# KiCad board ardumower mega shield svn.kicad_pcb (continued)
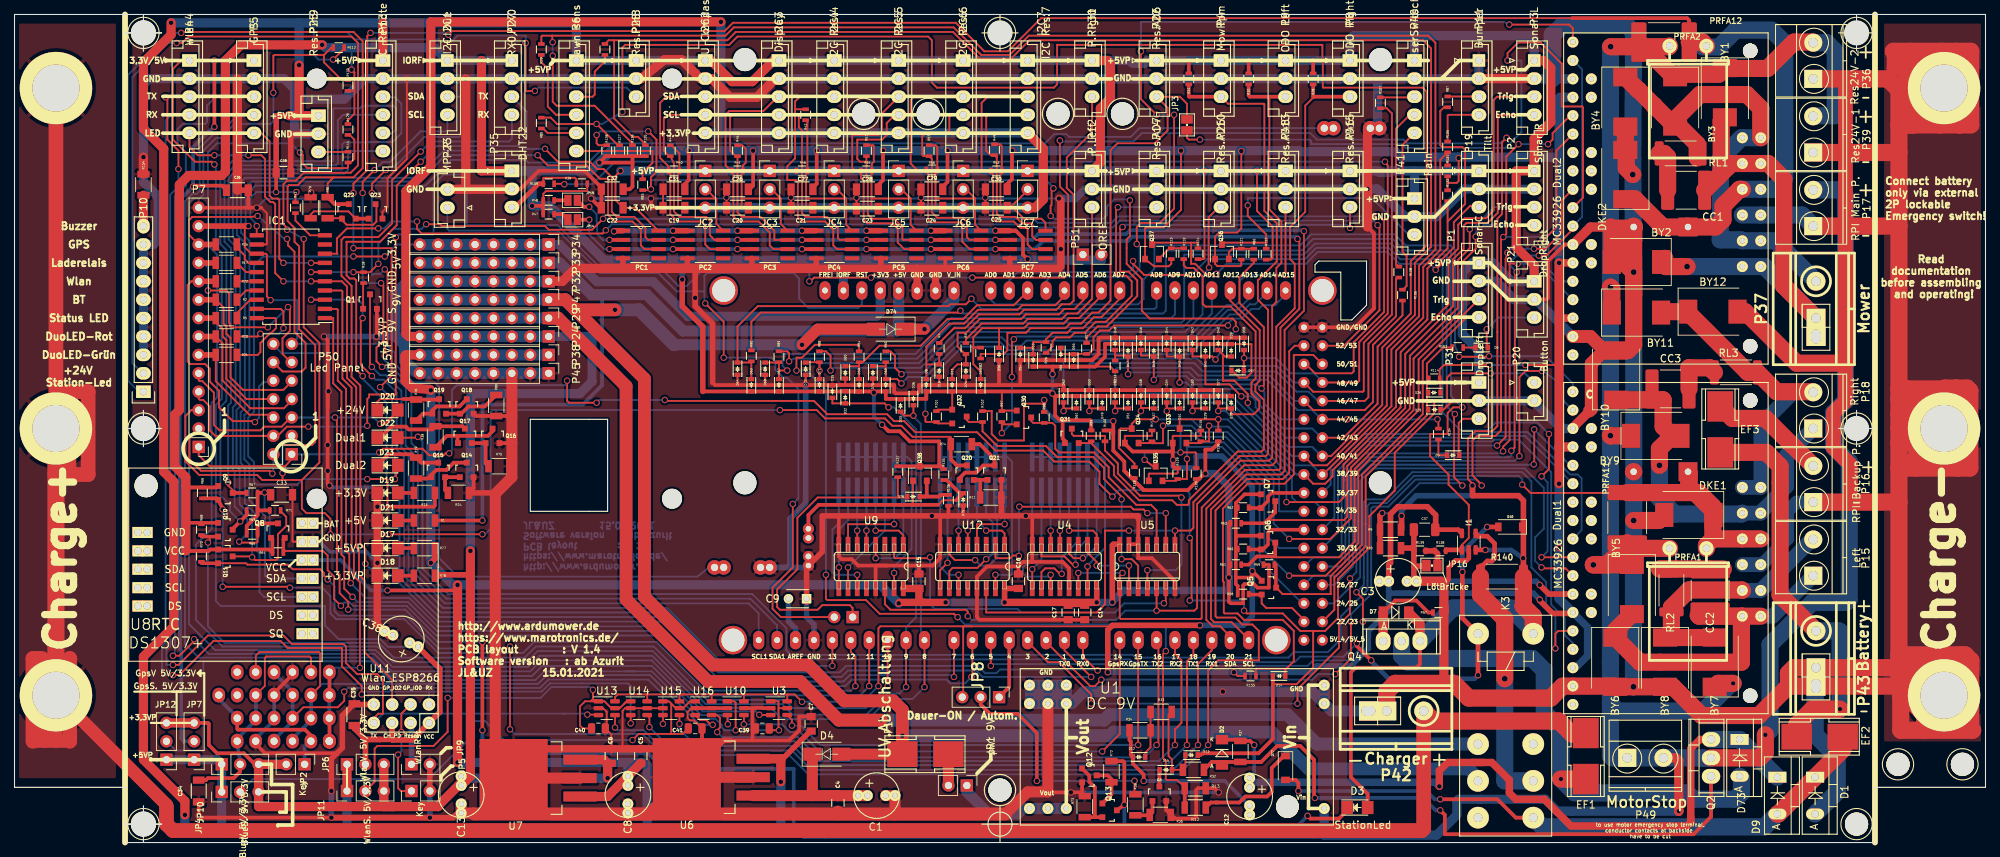
[diagram p0: board, top side]
## Routing (per net, layer and track width the routed paths; a pad name or vN(x,y) marks a point on that pad's centre or on a via; arc(x,y) is an arc through that point) (continued)
Led-BT: length 69.7
  Top w0.254: v1(47.62,24.13) 47.62,35.94 46.8,36.77 46.8,40.07 46.48,40.39 46.48,62.78 45.21,64.05 45.21,76.07 45.08,76.2 IC1.4
  Top w0.508: 43.43,23.62 43.43,20.45 ; 43.43,17.27 43.43,14.1
  Bottom w0.254: 43.69,19.81 43.43,19.81 ; U2.LED 44.02,24.13 v1(47.62,24.13)
  Bottom w0.508: U2.LED U2.LED
Led-Status: length 118.2
  Top w0.254: v1(48.01,72.39) 47.75,72.01 47.75,65.91 v1(49.28,64.39) ; v1(40.89,74.93) IC1.3 ; v1(112.78,24.38) SHIELD1.13 112.78,28.45
  Bottom w0.254: v1(49.28,64.39) 49.78,63.88 50.93,63.88 52.7,62.1 52.7,54.23 53.72,53.21 53.72,36.83 58.8,31.75 89.66,31.75 97.03,24.38 v1(112.78,24.38) ; v1(48.01,72.39) 48.01,74.3 47.37,74.93 v1(40.89,74.93)
Led-Wlan: length 100.5
  Top w0.254: v1(37.08,77.47) 35.94,78.61 35.94,88.14 35.69,88.39 35.31,88.39 34.54,89.15 34.54,94.36 34.04,94.87 v1(32.26,94.87) ; P44.5 24.13,96.01 25.27,94.87 v1(27.56,94.87) ; v1(40.89,77.47) IC1.5 45.13,77.47 45.85,76.75 45.85,64.13 47.12,62.86 47.12,40.77 47.5,40.39 47.5,36.96 48.26,36.2 48.26,26.29 52.07,22.48 U11.GP_2
  Bottom w0.254: v1(32.26,94.87) v1(27.56,94.87) ; v1(40.89,77.47) v1(37.08,77.47)
pinBatteryVoltage: length 121.6
  Top w0.254: v1(111.89,36.96) 111.89,33.66 112.08,33.46 117.41,33.46 119.3,31.57 129.53,31.57 129.98,31.11 v1(130.05,31.11) ; R84.1 116.46,68.45 116.2,68.71 110.36,68.71 108.58,66.93 107.82,66.93 v1(107.82,65.15) ; v1(158.75,26.42) 158.37,26.03 158.37,11.68 158.75,11.3 158.75,8.76 158.88,8.64 160.27,8.64 161.36,7.67 R13.1
  Top w0.508: R12.2 R13.1
  Bottom w0.254: v1(158.75,26.42) 158.75,29.84 158.5,30.1 131.06,30.1 v1(130.05,31.11) ; v1(107.82,65.15) 109.22,65.15 111.89,62.48 v1(111.89,36.96)
pinBumperLeft: length 7.9
  Top w0.254: P11.4 197.73,100.45 197.61,100.33 R105.1
pinBumperRight: length 4.3
  Top w0.254: P11.3 201.9,102.98 R87.1
pinButton: length 70.2
  Top w0.254: 175.39,24 175.22,23.84 D14.2 ; 175.39,24 176.4,25.02 176.4,29.21 174.88,30.73 169.55,30.73 168.66,31.62 166.88,31.62 166.75,31.75 166.75,35.94 166.62,36.07 166.62,46.1 170.05,49.53 175.13,49.53 176.4,50.8 176.4,67.31 179.07,67.31 SHIELD1.51 179.83,66.04 ; 175.39,24 171.2,24 171.18,23.99 R133.1
pinBuzzer: length 172.7
  Top w0.254: v1(187.96,85.22) 188.21,84.96 188.21,73.47 183.32,68.58 SHIELD1.53 ; v1(50.17,84.77) 45.85,84.77 44.45,83.38 44.45,81.34 44.51,81.28 IC1.8 ; v1(55.5,85.72) 55.5,84.71 56.14,84.06 81.09,84.06 v1(81.53,84.51)
  Bottom w0.254: v1(55.5,85.72) 51.94,85.72 50.99,84.77 v1(50.17,84.77) ; v1(81.53,84.51) 82.36,85.34 140.34,85.34 140.78,84.9 151.45,84.9 152.4,85.85 187.33,85.85 v1(187.96,85.22)
pinChargeCurrent: length 161.8
  Top w0.254: 101.6,68.03 101.6,71.88 102.87,73.15 130.18,73.15 v1(130.43,73.41) ; v1(199.64,60.07) 198.37,60.07 197.61,59.31 197.61,56.39 195.2,56.39 195.2,53.34 197.74,50.8 197.74,49.4 200.53,46.61 ; 200.53,46.61 200.53,42.04 199.58,41.09 I1.1 ; 200.53,46.61 200.53,46.36 ; 197.36,40.27 R138.1
  Top w0.635: I1.1 197.48,40.39 R138.1
  Bottom w0.254: v1(130.43,73.41) 130.81,73.03 158.37,73.03 158.75,73.41 158.75,81.53 158.94,81.72 177.48,81.72 179.07,83.31 190.06,83.31 191.64,81.72 197.87,81.72 198.06,81.53 198.06,61.66 v1(199.64,60.07)
pinChargeVoltage: length 156.6
  Top w0.254: R89.1 106.56,67.81 106.81,67.56 v1(106.81,66.42) ; v1(199.64,49.28) 198.5,50.42 198.5,59.03 v1(198.61,59.14)
  Top w0.762: v1(188.59,45.47) 188.29,45.16 R9.2 R10.1
  Bottom w0.254: v1(106.81,66.42) 107.44,66.8 124.46,66.8 129.41,71.75 160.91,71.75 161.29,72.14 161.29,81.15 177.8,81.15 179.32,82.68 189.8,82.68 191.33,81.15 197.36,81.15 197.49,81.03 197.49,60.26 v1(198.61,59.14) ; v1(188.59,45.47) 189.61,45.47 193.75,49.61 199.31,49.61 v1(199.64,49.28)
pinChargingEnable: length 185.8
  Top w0.254: 42.17,78.74 v1(40.89,78.74) ; v1(46.74,78.74) 46.75,78.73 R18.1 49.01,78.73 v1(50.17,79.88) ; 78.11,84.58 77.85,84.58 ; 77.85,84.58 79.63,84.58 v1(81.15,86.11) ; 77.85,84.58 73.66,84.58 73.15,85.09 58.93,85.09 58.67,85.34 v1(56.77,85.34) ; 177.93,66.04 SHIELD1.50 178.05,66.04 179.32,64.77 184.4,64.77 184.66,65.02 184.66,69.09 184.7,69.09 188.85,73.24 188.85,85.85 188.21,86.42 v1(187.96,86.42)
  Bottom w0.254: v1(46.74,78.74) v1(40.89,78.74) ; v1(56.77,85.34) 56.13,84.71 52.2,84.71 50.17,82.68 v1(50.17,79.88) ; v1(187.96,86.42) 152.15,86.42 151.26,85.53 141.1,85.53 140.53,86.11 v1(81.15,86.11)
pinLawnBackRecv: length 14.9
  Top w0.254: R83.1 86.61,92.46 87.96,93.8 87.96,95.45 P6.6
pinLawnBackSend: length 5.1
  Top w0.254: 77.49,97.93 P6.5 73.5,97.95 72.89,98.56 R85.1
pinLawnFrontRecv: length 11.9
  Top w0.254: P6.4 74.68,100.45 73.53,101.6 73.53,106.81 72.64,107.7 R29.1
pinLawnFrontSend: length 8.7
  Top w0.254: P6.3 79.71,102.95 80.01,103.25 80.01,106.43 81.41,107.82 R54.1
pinMotorEnable: length 52.1
  Bottom w0.254: Dual1.10 216.09,43.12 216.09,50.26 215.56,50.8 214.5,50.8 208.66,56.64 203.62,56.64 203.37,56.39 186.11,56.39 181.48,51.77 181.48,49.4 SHIELD1.37
pinMotorLeftDir: length 72.2
  Bottom w0.254: Dual1.4 214.88,27.52 213.74,28.66 213.74,30.99 ; 213.74,30.99 211.9,32.83 211.9,51.12 207.39,55.62 204.04,55.62 203.79,55.37 186.53,55.37 182.5,51.34 182.5,42.8 SHIELD1.31 180.34,40.89 ; 213.74,30.99 213.74,29.34
pinMotorLeftFault: length 64.8
  Top w0.254: v1(210.57,37.97) 210.69,37.85 213.87,37.85 Dual1.8
  Bottom w0.254: 180.34,33.66 SHIELD1.25 ; SHIELD1.25 181.94,33.02 185.55,36.62 185.55,49.91 187.27,51.64 208.2,51.64 210.88,48.96 210.88,43.34 209.68,42.13 209.68,38.86 v1(210.57,37.97) ; SHIELD1.25 180.34,33.4
pinMotorLeftPWM: length 132.7
  Top w0.254: v1(185.04,34.54) 185.93,33.65 v1(185.93,30.48) ; 214.5,29.21 Dual1.5 212.85,29.21 212.47,28.83 v1(212.47,26.8) ; v1(134.62,24.38) SHIELD1.5
  Bottom w0.254: 186.06,36.41 186.06,36.7 ; 186.06,36.7 186.06,36.53 186.05,36.53 186.05,35.56 v1(185.04,34.54) ; 186.06,36.7 186.06,46.99 186.44,47.37 188.99,47.37 192.75,51.13 206.93,51.13 ; v1(185.93,30.48) 185.93,27.11 183.96,25.15 179.07,25.15 178.31,24.38 153.67,24.38 153.42,24.64 134.87,24.64 v1(134.62,24.38) ; 209.17,37.97 211.2,35.94 211.2,32.51 212.47,31.24 v1(212.47,26.8) ; 209.17,37.97 209.23,37.91 ; 209.17,37.97 209.17,49.86 207.9,51.13 206.93,51.13 ; 206.93,51.13 207.57,51.13
pinMotorLeftSense: length 126.9
  Top w0.254: 137.03,76.07 SHIELD1.AD1 137.16,75.82 ; v1(211.58,56.39) 211.58,51.56 v1(210.57,50.55) ; Dual1.9 v1(210.57,39.37) ; v1(154.24,80.26) 154.24,79.88 155.77,78.36 v1(162.31,78.36)
  Bottom w0.254: SHIELD1.AD1 137.16,77.6 138.3,78.74 153.67,78.74 154.24,79.31 v1(154.24,80.26) ; v1(210.57,50.55) 211.39,49.72 211.39,40.2 v1(210.57,39.37) ; v1(211.58,56.39) 209.99,57.98 204.24,57.98 203.16,56.9 199.39,56.9 196.91,59.37 196.91,80.39 196.79,80.52 191.07,80.52 189.48,82.11 179.51,82.11 177.93,80.52 164.47,80.52 v1(162.31,78.36)
pinMotorMowDir: length 98.9
  Top w0.254: 215.39,97.79 Dual2.13 212.6,95.5 212.6,84.94 v1(210.44,82.78) ; v1(207.26,79.88) 207.22,79.93 206.16,79.93 206.16,55.54 205.26,54.64 v1(205.26,54.01)
  Bottom w0.254: v1(207.26,79.88) 209.93,79.88 211.26,78.55 ; 211.26,78.55 Dual2.4 ; 211.26,78.55 211.01,78.8 211.01,82.21 v1(210.44,82.78) ; SHIELD1.29 182.88,38.1 183.52,38.74 183.52,50.92 186.31,53.72 204.97,53.72 v1(205.26,54.01) ; SHIELD1.29 180.85,38.1 ; SHIELD1.29 181.1,38.1
pinMotorMowEnable: length 83.7
  Top w0.254: 214.38,90.17 Dual2.10 213.36,88.65 213.36,84.2 211.12,81.96 v1(209.52,81.96) ; v1(205.87,81.41) 205.61,80.52 205.61,67.69 205.61,67.69 205.61,55.98 v1(204.43,54.8)
  Bottom w0.254: v1(209.52,81.96) 206.33,81.96 205.99,81.62 v1(205.87,81.41) ; 177.42,38.1 SHIELD1.28 179.07,39.37 183.01,39.37 183.01,39.37 183.01,51.13 186.67,54.8 v1(204.43,54.8)
pinMotorMowFault: length 105.8
  Top w0.254: 214.95,107.95 Dual2.17 ; v1(206.4,54.08) 206.85,54.53 206.85,65.95 ; 206.85,66.13 206.85,65.95 ; 206.85,65.95 206.88,65.99 206.88,78.49 v1(207.14,78.74) ; v1(210.19,81.03) 210.21,81 211.22,81 214.88,84.67 Dual2.8
  Bottom w0.254: Dual2.17 214.93,107.95 216.15,106.73 216.15,86.36 Dual2.8 ; v1(207.14,78.74) 206.12,79.76 206.12,80.01 207.14,81.03 v1(210.19,81.03) ; 177.8,35.69 SHIELD1.26 179.07,36.83 182.37,36.83 184.02,38.48 184.02,50.59 186.62,53.18 206.13,53.18 206.4,53.45 v1(206.4,54.08)
pinMotorMowPWM: length 162
  Top w0.254: v1(149.86,22.48) 148.97,21.59 148.34,21.59 142.24,27.69 SHIELD1.2 ; v1(211.46,96.39) 212.09,97.03 212.09,97.92 214.5,100.33 Dual2.14 ; 204.98,68.47 204.98,68.07 ; 204.98,68.07 204.98,83.26 v1(205.3,83.58) 205.7,83.98 205.7,94.7 v1(207.39,96.39) ; 204.98,68.07 204.98,56.9 204.22,56.13 201.68,56.13 201.04,55.5 201.04,50.67 202.31,49.4 v1(202.31,49.28) ; v1(184.28,30.48) 184.28,25.4 v1(182.12,23.24)
  Bottom w0.254: 215.01,77.34 Dual2.5 ; Dual2.5 214.88,77.6 ; Dual2.5 213.17,77.47 211.52,79.12 211.52,82.92 210.84,83.61 205.32,83.61 v1(205.3,83.58) ; v1(211.46,96.39) v1(207.39,96.39) ; v1(202.31,49.28) 201.47,50.11 193.2,50.11 189.44,46.35 187.32,46.35 187.07,46.1 187.07,35.99 187.07,35.99 187.07,34.29 184.28,31.5 v1(184.28,30.48) ; v1(182.12,23.24) 179.71,23.24 178.94,22.48 v1(149.86,22.48)
pinMotorMowRpm_neu: length 50.5
  Top w0.254: v1(137.8,69.47) 137.54,69.22 v1(137.54,64.26) ; v1(136.14,56.52) R97.2 136.14,57.91 136.33,57.72 Q30.2
  Bottom w0.254: v1(137.8,69.47) 138.18,69.85 161.93,69.85 165.1,73.03 SHIELD1.AD11 165.1,75.06 ; v1(136.14,56.52) 137.54,57.91 v1(137.54,64.26)
pinMotorMowSense: length 119.1
  Top w0.254: v1(157.48,100.46) 155.32,102.62 v1(155.32,109.22) ; v1(159.89,100.46) 159.89,87.5 157.92,85.53 155.32,85.53 154.75,84.96 v1(154.75,82.61) ; 214.88,110.85 Dual2.18 214.88,112.4 214.38,112.9 v1(206.12,112.9) ; SHIELD1.AD3 142.24,75.82
  Bottom w0.254: v1(159.89,100.46) v1(157.48,100.46) ; v1(206.12,112.9) 205.38,113.28 155.32,113.28 v1(155.32,109.22) ; v1(154.75,82.61) 155.13,82.23 155.13,79.18 154.05,78.11 142.88,78.11 142.24,77.47 SHIELD1.AD3 ; Dual2.18 214.88,111
pinMotorRightDir: length 46.7
  Bottom w0.254: 214.76,49.53 Dual1.13 208.28,56.13 203.83,56.13 203.58,55.88 186.32,55.88 181.99,51.55 181.99,44.83 SHIELD1.33
pinMotorRightFault: length 63.7
  Top w0.254: v1(210.63,65.09) 208.34,65.09 207.52,64.26 v1(207.52,53.34) ; Dual1.17 214.76,59.69
  Bottom w0.254: Dual1.17 212.73,61.85 212.73,63.63 210.69,65.15 v1(210.63,65.09) ; v1(207.52,53.34) 206.85,52.67 186.83,52.67 184.53,50.38 184.53,38.1 181.99,35.56 SHIELD1.27
pinMotorRightPWM: length 115.9
  Top w0.254: v1(148.46,19.18) 148.46,20.45 144.02,24.89 142.49,24.89 139.7,27.69 SHIELD1.3 ; 209.55,52.07 209.55,52.13 v1(209.49,52.2) 209.55,52.26 v1(209.55,57.02) ; v1(176.91,19.18) 176.91,21.17 182.63,26.88 182.63,30.05 184.15,31.57 v1(184.15,36.45)
  Bottom w0.254: v1(209.55,57.02) 214.5,52.07 Dual1.14 ; 195.15,52.15 209.44,52.15 v1(209.49,52.2) ; 195.15,52.15 187.02,52.15 185.04,50.17 185.04,37.34 v1(184.15,36.45) ; 195.15,52.15 197.28,52.15 ; v1(148.46,19.18) v1(176.91,19.18)
pinMotorRightSense: length 107.5
  Top w0.254: v1(203.33,67.12) 203.26,67.06 v1(199.2,67.06) ; SHIELD1.AD0 134.62,75.69
  Bottom w0.254: v1(199.2,67.06) 198.63,68.58 198.63,81.79 197.99,82.42 191.83,82.42 190.31,83.95 178.82,83.95 177.29,82.42 157.35,82.42 157.16,82.23 157.16,79.18 155.7,77.72 155.7,75.06 154.94,74.3 135.26,74.3 134.62,74.93 SHIELD1.AD0 ; Dual1.18 214.88,63.37 211.14,67.12 v1(203.33,67.12)
pinOdometryLeft: length 61.4
  Top w0.254: Q31.2 148.59,55.13 R99.2 148.46,55.12 151.6,51.98 151.6,50.71 155.07,47.24 159.64,47.24 160.27,46.61 161.8,46.61 161.93,46.74 161.93,47.24 168.66,53.97 171.96,53.97 172.28,54.29 172.28,61.09 171.1,62.26 171.1,63.15 171.7,63.75 171.7,70.74 167.64,74.8 SHIELD1.AD12 ; SHIELD1.AD12 167.64,77.22 ; SHIELD1.AD12 167.64,75.31
  Bottom w0.254: 167.64,75.63 SHIELD1.AD12 167.64,75.56
pinOdometryRight: length 62.5
  Top w0.254: v1(125.6,59.18) 125.6,58.17 125.72,58.05 R101.2 127.33,57.85 Q32.2
  Bottom w0.254: SHIELD1.AD14 172.72,75.95 171.07,74.3 170.31,74.3 168.91,72.9 167.58,72.9 162.08,67.41 136.56,67.41 135.51,68.45 130.68,68.45 125.6,63.37 v1(125.6,59.18)
pinPerimeterLeft: length 32.9
  Top w0.254: P12.3 148.59,75.06 146.56,73.03 145.16,73.03 144.4,72.26 139.7,72.26 139.06,71.63 133.35,71.63 131.19,69.47 R3.1 131.19,68.96
pinPerimeterRight: length 51
  Top w0.254: P30.3 148.59,98.04 145.1,94.55 145.1,90.36 146.05,89.41 146.05,74.8 145.54,74.3 144.4,74.3 143.64,73.53 139.19,73.53 138.56,72.9 132.97,72.9 131.06,70.99 129.54,70.99 127.51,68.96 R4.1
pinRain: length 4.6
  Top w0.254: 170.84,81.93 R86.1 R121.2 169.15,81.98 167.96,81.98 167.45,81.47 Q36.2
pinRemoteMow: length 99.4
  Top w0.254: v1(115.95,21.59) 115.95,25.65 115.32,26.29 SHIELD1.12 ; R64.2 37.33,40.26 42.55,40.26 43.18,39.62 43.18,37.59 44.07,36.7 44.07,33.62 v1(45,32.68)
  Top w0.48: Q8.2 37.07,41.85 R64.2
  Bottom w0.254: v1(115.95,21.59) 115.32,20.95 96.01,20.95 88.39,28.58 58.16,28.58 54.07,32.67 46.69,32.67 46.22,33.13 45.45,33.13 v1(45,32.68)
pinRemoteSpeed: length 122.1
  Top w0.254: SHIELD1.10 v1(120.4,21.59) ; v1(26.67,41.4) 26.92,41.66 26.92,42.23
  Top w0.48: 25.78,42.23 Q10.2
  Bottom w0.254: v1(26.67,41.4) 26.67,29.84 28.96,27.56 50.23,27.56 52.26,25.53 70.36,25.53 71.88,27.05 88.14,27.05 95.5,19.69 106.17,19.69 107.31,18.54 117.35,18.54 v1(120.4,21.59)
pinRemoteSteer: length 120.8
  Top w0.254: 117.86,29.08 SHIELD1.11 v1(117.86,21.59) ; 28.38,47.31 Q9.2 ; v1(37.97,35.18) 37.85,35.31 v1(28.7,35.31)
  Top w0.508: v1(28.7,45.97) 28.7,46.12 Q9.2 27.88,47.51 R66.2
  Bottom w0.254: v1(37.97,35.18) 42.42,35.18 43.56,34.04 43.56,31.62 44.36,30.82 53.76,30.82 58.42,26.16 70.1,26.16 71.63,27.69 88.52,27.69 95.88,20.32 116.59,20.32 v1(117.86,21.59) ; v1(28.7,45.97) v1(28.7,35.31)
pinRemoteSwitch: length 240.5
  Top w0.254: v1(164.59,13.46) 164.59,23.75 165.99,25.15 171.58,25.15 171.58,29.21 170.69,30.1 169.29,30.1 168.34,31.05 165.8,31.05 165.61,31.24 165.61,45.85 169.93,50.17 174.88,50.17 175.77,51.05 175.77,67.82 176.53,68.58 SHIELD1.52 177.04,68.58 ; 68.33,18.29 68.33,19.81 ; v1(43.18,36.32) 42.67,36.83 42.67,37.21 42.16,37.72 38.35,37.72 37.72,38.35 32.13,38.35 31.94,38.55 Q11.2 ; v1(68.33,15.62) v1(68.33,27.05)
  Top w0.48: Q11.2 25.78,38.55
  Bottom w0.254: v1(43.18,36.32) 44.13,35.37 44.13,31.94 44.74,31.33 53.97,31.33 58.5,26.8 68.07,26.8 v1(68.33,27.05) ; v1(68.33,15.62) 68.96,14.99 71.25,14.99 ; 71.25,14.99 69.47,14.99 ; 71.25,14.99 86.55,14.99 89.47,12.06 106.81,12.06 109.47,9.4 160.53,9.4 v1(164.59,13.46)
pinSonarCenterEcho: length 9.9
  Top w0.254: Q5.2 171.97,33 172.59,32.39 176.15,32.39 177.8,30.73 SHIELD1.22
  Top w0.48: 170.37,34.29 170.43,34.23 Q5.2
pinSonarCenterTrigger: length 39.2
  Top w0.254: v1(161.67,52.96) 161.67,50.17 161.66,50.18 R119.2 160.15,49.93 Q35.2
  Bottom w0.254: v1(161.67,52.96) 161.67,54.61 166.5,54.61 171.7,49.4 171.7,38.86 177.55,33.02 SHIELD1.24
pinSonarLeftEcho: length 9
  Top w0.48: 170.37,46.23 170.43,46.17 Q7.2 172.85,47.17 172.85,47.75 173.36,48.26 SHIELD1.36
  Bottom w0.254: SHIELD1.36 177.42,48.26
pinSonarLeftTrigger: length 27.2
  Top w0.254: R115.2 163.58,55.15 163.56,55.13 Q33.2 ; R115.2 163.45,55.13 ; R115.2 164.71,55.38 164.72,55.37 v1(164.72,57.53)
  Bottom w0.254: v1(164.72,57.53) 164.85,57.4 167.39,57.4 174.37,50.42 174.37,45.72 SHIELD1.34 177.17,45.72
pinSonarRightEcho: length 10.4
  Top w0.254: 171.9,40.45 Q6.2
  Top w0.48: R60.2 170.23,40.45 Q6.2 172.15,40.45 172.85,41.15 172.85,42.8 173.23,43.18 SHIELD1.32
  Bottom w0.254: SHIELD1.32 177.17,43.18
pinSonarRightTrigger: length 37.9
  Top w0.254: v1(158.37,57.53) 158.37,55.12 156.84,55.12 R117.2 156.59,55.13 Q34.2
  Bottom w0.254: v1(158.37,57.53) 162.31,57.53 163.83,56.01 167.01,56.01 172.97,50.04 172.97,42.04 174.37,40.64 SHIELD1.30 177.17,40.64
pinTilt: length 4.1
  Top w0.254: 157.8,80.53 159.23,82.03 R123.2 R110.1
pinUserSwitch1: length 22.8
  Top w0.254: P40.5 191.39,96.3 191.39,81.53 191.96,80.96 191.96,76.84 191.44,76.31 R106.1
pinUserSwitch2: length 22.6
  Top w0.254: P40.4 192.4,100.45 190.5,98.55 190.5,79.81 R108.1
pinUserSwitch3: length 4.7
  Top w0.254: P40.3 192.95,102.86 R107.1
RelaisAbschaltung: length 8.5
  Top w0.508: JP8.1 137.16,21.46 SHIELD1.4
ReserveAD6: length 64.8
  Top w0.254: R82.1 133.22,67.44 136.4,67.44 136.91,67.95 136.91,70.36 139.45,70.36 140.08,70.99 144.91,70.99 145.54,71.63 147.07,71.63 148.59,73.15 149.48,73.15 151.13,74.8 151.13,95.57 152.08,96.52 157.23,96.52 159,98.3 159,101.43 P22.3 160.7,102.95 161.67,101.98 JP3.1
ReserveAD7: length 34.8
  Top w0.254: R26.1 143.13,68.47 143.13,69.22 143.64,69.72 145.54,69.72 146.18,70.36 147.57,70.36 149.1,71.88 150.5,71.88 154.05,75.44 154.05,77.47 153.29,78.23 152.15,78.23 151.89,78.49 151.89,87.44 v1(152.15,87.69)
  Bottom w0.254: v1(152.15,87.69) 152.16,87.71 P14.3
ReserveAD10: length 74.3
  Top w0.254: v1(112.52,65.15) 112.52,67.18 111.9,67.81 R88.1 ; P26.3 166.07,87.71 164.66,86.3 164.66,79.44 v1(164.72,79.38)
  Bottom w0.254: v1(112.52,65.15) 112.9,65.53 124.97,65.53 129.92,70.48 161.42,70.48 163.83,72.9 163.83,78.11 v1(164.72,79.38)
ReservePin8: length 62.1
  Top w0.254: v1(70.48,110.36) 70.48,103.76 70.54,103.71 v1(71.75,103.76) ; 85.74,102.94 P28.3 ; v1(43.94,108.08) 45.45,109.59 R112.1
  Bottom w0.254: v1(71.75,103.76) 72.2,104.2 84.39,104.2 85.64,102.95 P28.3 ; v1(43.94,108.08) 41.91,108.08 41.28,108.71 41.28,111.89 45.85,111.89 46.86,110.87 58.55,110.87 58.86,110.55 60.26,110.55 61.09,111.38 70.48,111.38 v1(70.48,110.36)
ReservePin9: length 4.1
  Top w0.254: R111.1 45.94,95.33 P25.3
Reset: length 135.5
  Top w0.254: v1(97.79,66.93) 97.79,71.88 v1(95.25,74.42) ; v1(107.31,46.74) 107.31,37.97 104.52,35.18 104.52,32.26 105.66,31.11 JP13.2
  Bottom w0.254: P23.1 59.69,84.71 59.94,84.45 74.93,84.45 80.77,78.61 88.77,78.61 91.31,76.07 95.12,76.07 ; v1(95.25,74.42) 95.12,74.55 95.12,76.07 ; 95.12,76.07 95.12,78.23 95.5,78.61 107.44,78.61 108.2,77.85 108.2,75.06 109.47,73.79 116.33,73.79 116.84,74.3 SHIELD1.RST ; v1(97.79,66.93) 104.39,66.93 104.9,66.42 104.9,65.28 106.05,64.14 106.55,64.14 108.08,62.61 108.08,47.5 v1(107.31,46.74)
Resv.PinAD13: length 75
  Top w0.254: v1(122.3,64.64) 121.41,65.53 121.41,67.18 120.79,67.81 R50.1 ; P48.3 v1(175.26,78.36)
  Bottom w0.254: v1(122.3,64.64) 122.55,64.9 125.35,64.9 130.18,69.72 136.14,69.72 137.29,68.58 138.81,68.58 139.51,69.28 162.24,69.28 167.13,74.17 168.4,74.17 168.91,74.68 168.91,77.47 169.8,78.36 v1(175.26,78.36)
Resv.PinAD15: length 56.1
  Top w0.254: R27.1 147.83,69.72 149.35,71.25 150.62,71.25 154.81,75.44 154.81,77.6 153.61,78.8 152.53,78.8 152.46,78.87 152.46,84.84 152.59,84.96 v1(152.78,84.96) ; v1(184.15,84.84) P46.3
  Bottom w0.254: v1(184.15,84.84) 183.71,85.28 153.1,85.28 v1(152.78,84.96)
RX0: length 200.5
  Top w0.254: 147.57,27.69 SHIELD1.0 ; SHIELD1.0 147.32,25.65 149.23,23.75 v1(149.35,23.75) ; SHIELD1.0 147.32,26.92 ; SHIELD1.0 147.32,28.19 ; SHIELD1.0 147.32,28.83 ; v1(56.01,93.98) 52.7,90.68 52.7,85.22 50.42,82.93 45.78,82.93 45.78,78.3 46.23,77.85 46.86,77.85 47.12,77.6 47.12,65.28 v1(48.01,64.39)
  Bottom w0.254: P27.3 70.61,100.92 70.61,97.41 69.34,96.14 58.17,96.14 v1(56.01,93.98) ; v1(149.35,23.75) 149.23,23.88 135.89,23.88 135.38,23.37 133.86,23.37 132.84,24.38 114.68,24.38 113.79,23.5 97.03,23.5 89.41,31.11 58.55,31.11 53.09,36.58 53.09,48.01 51.31,49.78 51.31,60.71 48.01,64.01 v1(48.01,64.39)
RX1: length 103.7
  Top w0.254: v1(82.8,15.88) 82.8,17.59 U13.4 ; 165.1,27.18 SHIELD1.19 165.1,26.54 163.2,24.64 v1(163.2,13.46)
  Bottom w0.254: v1(82.8,15.88) 83.18,15.49 86.36,15.49 ; 86.36,15.49 84.64,15.49 ; 86.36,15.49 86.76,15.49 89.56,12.7 107.19,12.7 109.86,10.03 159.77,10.03 v1(163.2,13.46)
RX2: length 88.5
  Top w0.254: SHIELD1.17 160.02,26.03 160.91,25.15 160.91,16.51 160.02,15.62 v1(160.02,13.46) ; v1(91.69,16.38) 91.69,16.26 U15.4
  Bottom w0.254: v1(160.02,13.46) 157.8,11.24 110.3,11.24 107.57,13.97 93.34,13.97 91.69,15.62 v1(91.69,16.38)
SCL: length 187.7
  Top w0.254: SHIELD1.21 170.18,28.07 167.83,30.42 165.42,30.42 164.97,30.86 164.97,45.97 169.8,50.8 174.62,50.8 175.13,51.31 175.13,70.74 177.8,73.41 v1(177.8,84.39) ; PC5.2 118.74,83.19
  Top w0.508: v1(82.04,83.19) PC1.2 ; v1(90.8,83.19) PC2.2 ; v1(99.69,83.19) PC3.2 ; v1(108.58,83.19) PC4.2 ; v1(117.48,83.19) PC5.2 ; v1(126.36,83.19) PC6.2 ; v1(135.26,83.19) PC7.2 ; v1(79.25,87.76) 78.5,87.76 JP15.1
  Bottom w0.254: v1(82.04,83.19) 81.15,83.19 80.33,84.01 80.33,85.62 80.26,85.68 80.26,86.74 v1(79.25,87.76)
  Bottom w0.508: v1(177.8,84.39) 177.67,84.52 153.8,84.52 153.26,83.98 141.13,83.98 140.34,83.19 v1(135.26,83.19) v1(126.36,83.19) v1(117.48,83.19) v1(108.58,83.19) v1(99.69,83.19) v1(90.8,83.19) v1(82.04,83.19) 81.53,83.19
SCL1: length 134.5
  Top w0.254: PC1.7 87.38,83.19 86.99,83.57 86.99,84.84 85.47,86.36 83.06,86.36 82.36,87.06 82.36,91.84 81.24,92.96 80.36,92.96 79.34,93.98 74.93,93.98 v1(73.15,95.76)
  Bottom w0.254: U8.5 34.42,33.91 33.78,34.54 33.78,39.88 33.4,40.26 33.4,45.21 31.75,46.86 31.75,51.82 31.18,52.39 31.18,59.37 31.75,59.94 31.75,82.8 30.67,83.88 30.67,90.61 31.81,91.76 55.44,91.76 59.18,95.5 69.98,95.5 70.23,95.76 v1(73.15,95.76)
  Bottom w1.016: 41.02,33.91 39.52,33.91
SCL2: length 28.9
  Top w0.254: I2C2.4 90.04,100.45 89.53,99.95 89.53,95.5 90.28,94.75 R44.2 90.93,93.74 90.93,87.12 91.69,86.36 95.38,86.36 95.88,85.85 95.88,83.82 96.52,83.19 PC2.7
SCL3: length 29.9
  Top w0.254: I2C3.4 100.2,100.45 100.2,100.46 98.93,100.46 98.68,100.2 98.68,95.5 99.43,94.75 R45.2 99.69,87 100.33,86.36 102.87,86.36 104.77,84.45 104.77,83.19 PC3.7
SCL4: length 28.7
  Top w0.254: I2C4.4 108.15,100.45 108.14,100.46 108.14,98.74 108.58,98.3 108.58,92.71 ; 108.58,92.71 108.58,86.87 109.09,86.36 112.01,86.36 113.54,84.84 113.54,83.44 113.79,83.19 PC4.7 ; 108.58,92.71 R46.2
SCL5: length 29.5
  Top w0.254: 117.48,93.98 116.59,93.98 116.2,94.36 116.2,97.03 119.63,97.03 120.27,97.66 120.27,99.31 121.4,100.45 I2C5.4 ; 117.48,93.98 117.48,91.69 117.67,91.5 117.67,86.68 118.24,86.11 121.29,86.11 122.43,84.96 122.43,83.31 122.55,83.19 PC5.7 ; 117.48,93.98 R51.2
SCL6: length 29.3
  Top w0.254: I2C6.4 129.15,100.45 128.91,100.2 128.91,97.92 128.78,97.79 125.48,97.79 125.16,97.47 125.16,94.93 125.34,94.75 R52.2 126.49,94.37 126.49,87 127.25,86.23 130.81,86.23 131.32,85.72 131.32,83.57 131.7,83.19 PC6.7
SCL7: length 29.3
  Top w0.254: I2C7.4 134.23,100.45 133.99,100.2 133.99,95.5 134.61,94.88 R49.2 135.45,94.56 135.45,86.8 135.89,86.36 138.05,86.36 138.94,85.47 140.21,85.47 140.34,85.34 140.34,83.69 140.84,83.19 PC7.7
SCL22: length 130.4
  Top w0.254: v1(49.66,92.84) 48.01,91.19 v1(48.01,89.66) ; v1(50.67,65.66) 49.91,66.42 49.91,68.33 50.86,69.28 50.86,76.9 v1(50.55,77.22)
  Bottom w0.254: I2C1.4 59.69,98.3 59.56,98.17 56.01,98.17 51.75,93.92 50.74,93.92 v1(49.66,92.84) ; v1(50.67,65.66) 51.05,65.66 53.97,62.74 53.97,60.96 53.93,54.78 54.99,53.72 54.99,37.34 59.31,33.02 101.22,33.02 102.62,31.62 SHIELD1.SCL1 ; v1(50.55,77.22) 48.51,77.22 48.01,77.72 v1(48.01,89.66) ; SHIELD1.SCL1 102.62,27.56 ; SHIELD1.SCL1 102.62,27.31
SDA: length 183.9
  Top w0.254: v1(176.91,83.31) 177.17,83.06 177.17,73.66 174.56,71.06 174.56,51.63 174.37,51.44 169.67,51.44 164.34,46.1 164.34,30.73 165.23,29.84 166.24,29.84 167.64,28.45 SHIELD1.20 ; 109.79,81.91 PC4.3 109.86,81.91
  Top w0.508: v1(82.04,81.91) PC1.3 ; v1(90.8,81.91) PC2.3 ; v1(99.69,81.91) PC3.3 ; v1(108.58,81.91) PC4.3 ; v1(117.48,81.91) PC5.3 ; v1(126.36,81.91) PC6.3 ; v1(135.26,81.91) PC7.3 ; v1(79.25,85.98) JP14.1
  Bottom w0.254: 81.66,81.91 81.28,81.91 79.25,83.95 v1(79.25,85.98)
  Bottom w0.508: v1(176.91,83.31) 176.91,83.57 176.85,83.63 154.11,83.63 153.51,83.03 141.83,83.03 140.72,81.91 v1(135.26,81.91) v1(126.36,81.91) v1(117.48,81.91) v1(108.58,81.91) v1(99.69,81.91) v1(90.8,81.91) v1(82.04,81.91) 81.66,81.91
SDA1: length 131.6
  Top w0.254: PC1.6 86.87,81.91 86.36,82.42 86.36,84.58 85.22,85.72 82.76,85.72 81.85,86.63 81.85,91.63 80.72,91.63 78.88,93.47 73.53,93.47 v1(72.14,94.87)
  Bottom w0.254: v1(72.14,94.87) 59.44,94.87 55.82,91.25 55.44,91.25 32.77,91.25 31.24,89.73 31.24,84.2 32.39,83.06 32.39,59.69 31.69,58.99 31.69,52.9 32.39,52.2 32.39,47.24 34.54,45.09 34.54,36.83 34.92,36.45 U8.4 ; 39.52,36.45 39.23,36.45 ; 40.52,36.45 40.12,36.45
  Bottom w1.016: 39.52,36.45 41.02,36.45
SDA2: length 33.6
  Top w0.254: 90.42,92.2 90.42,92.27 ; 90.42,92.2 90.42,86.74 91.44,85.72 94.74,85.72 95.25,85.22 95.25,82.55 95.88,81.91 PC2.6 ; 90.42,92.2 90.42,92.47 R40.2 ; R40.2 90.04,92.71 ; R40.2 90.18,93.33 89.03,94.49 89.03,102.11 89.87,102.95 I2C2.3
SDA3: length 33.4
  Top w0.254: PC3.6 104.65,81.91 104.14,82.42 104.14,84.2 102.62,85.72 99.82,85.72 99.12,86.43 99.12,92.53 R41.2 98.81,92.71 98.04,93.47 98.04,100.46 98.55,100.97 103.25,100.97 105.24,102.95 I2C3.3
SDA4: length 35.5
  Top w0.254: I2C4.3 108.28,102.95 107.63,102.3 107.63,101.22 ; 107.63,101.22 109.08,101.22 R42.2 ; 107.63,101.22 107.63,94.43 106.55,93.34 106.55,91.44 107.7,91.44 108.01,91.12 108.01,86.23 108.08,86.23 108.58,85.72 111.76,85.72 112.9,84.58 112.9,82.42 113.41,81.91 PC4.6
SDA5: length 32.7
  Top w0.254: 116.52,92.71 115.95,92.71 115.51,93.15 115.51,97.66 119.13,97.66 119.63,98.17 119.63,100.66 I2C5.3 ; R55.2 116.73,91.68 117.09,91.31 117.09,85.98 117.6,85.47 121.03,85.47 121.79,84.71 121.79,82.8 122.68,81.91 PC5.6